# KiCad board LV_PCB.kicad_pcb (continued)
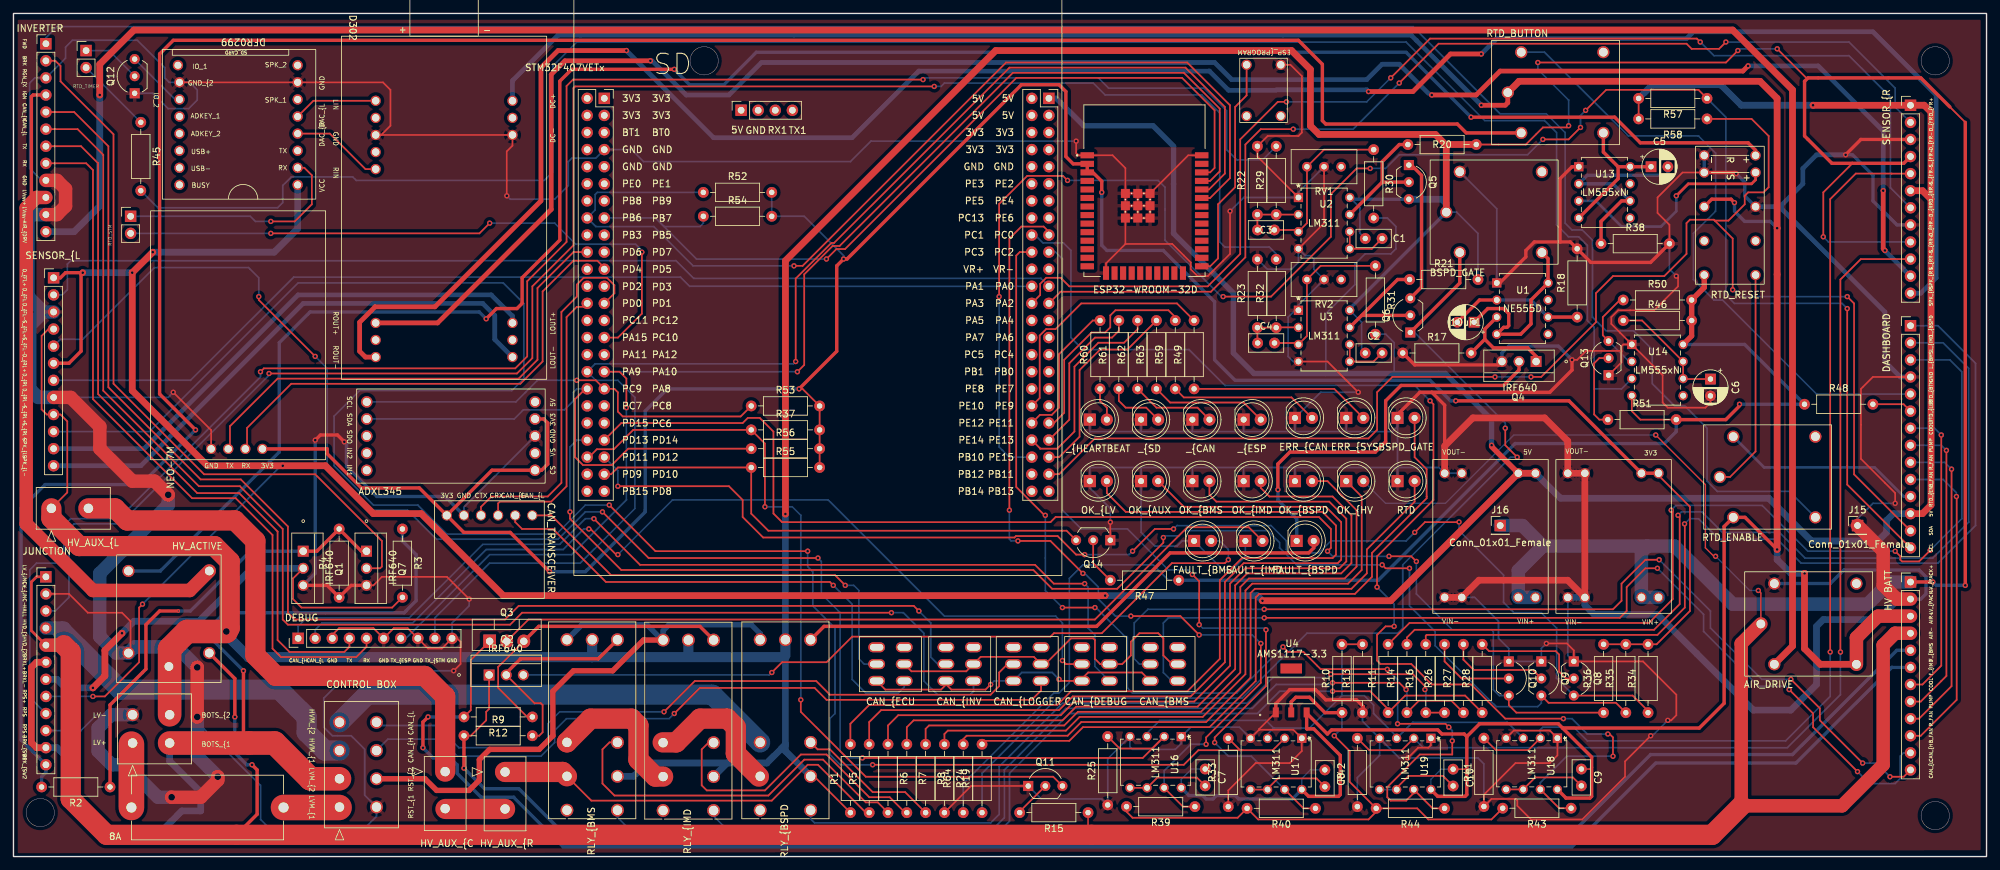
[diagram p0: board, top side]
## Routing (per net, layer and track width the routed paths; a pad name or vN(x,y) marks a point on that pad's centre or on a via; arc(x,y) is an arc through that point) (continued)
FORWARD_ENABLE: length 316.8
  Bottom w0.25: J1.1 4.82,121.72 6.47,123.37 207.89,123.37 220.85,110.42 227.7,110.42 230.5,107.62 230.5,94.16 231.51,93.15 233.04,93.15 234.56,91.62 234.56,80.19 236.59,78.16 240.66,78.16 243.45,75.37 243.45,70.28 246.75,66.98 248.28,66.98 251.58,63.68 251.58,55.81 253.1,54.28 263.82,54.28 K4.14
GPS_{RX}: length 73.2
  Top w0.25: U15.86 87.77,87.54 86.73,88.57 83.18,88.57 78.61,84 78.61,73.59 75.3,70.28 41.27,70.28 34.7,63.72 34.7,60.6
GPS_{TX}: length 73.4
  Top w0.25: 32.16,60.6 32.16,63.97 39.24,71.05 75.05,71.05 77.84,73.84 77.84,84.51 83.19,89.85 U15.87
HALL_{SIG}: length 263.9
  Top w0.25: v1(37.96,71.81) 74.8,71.81 77.08,74.09 77.08,84.76 83.19,90.87 83.19,114.24 83.43,114.48 v1(136.78,114.48)
  Bottom w0.25: v1(136.78,114.48) 137.8,114.48 138.31,114.99 160.39,114.99 162.17,113.21 176.53,113.21 179.19,110.55 179.19,91.37 179.95,90.6 186.56,90.6 187.58,89.58 R32.2 ; J4.3 6.21,36.5 8.25,38.53 8.25,48.7 9.01,49.46 15.87,49.46 37.96,71.56 v1(37.96,71.81)
HV_ACTIVE_Pin: length 116.8
  Top w0.25: v1(111.64,52) 111.62,52.01 111.62,61.39 R37.1 92.07,63.43 89.19,60.55 86.66,60.55 85.48,59.37 U15.58 ; Q11.3 154.45,11.87 126.61,11.87 116.96,21.52 v1(116.96,23.3)
  Bottom w0.25: v1(116.96,23.3) 116.96,50.73 115.69,52 v1(111.64,52)
HV_AUX_{C1}: length 85.7
  Top w3: J13.2 15.09,51.76 16.88,49.97 32.9,49.97 35.93,46.93 35.93,29.9 38.98,26.85 61.08,26.85 64.13,23.8 J8.1
HV_AUX_{C2}: length 8.8
  Top w3: J11.2 64.18,7.08
HV_AUX_{R2}: length 61
  Top w0.25: RLY1.7 85.84,8.31 112.64,8.31 117.98,13.64 119.51,13.64 126.62,6.53 R5.1
  Top w3: RLY1.7 81.58,12.57 J11.1
HV_MASTER_{1}: length 67.1
  Bottom w3: RLY3.8 103.84,24.06 52.53,24.06 J3.4
HVD_{1}: length 52.5
  Bottom w2: 7.49,33.96 J4.4
  Bottom w3: 7.24,33.45 15.88,24.82 39.49,24.82 43.55,20.75 43.55,18.47 46.26,15.76 J3.3
IGNITION_INPUT: length 100.8
  Top w0.25: 3.17,97.97 3.42,97.97
  Top w0.5: 3.17,97.97 2.66,98.48 2.66,112.96 2.91,113.21 J1.4
  Top w2: J1.10 3.42,97.97 1.9,96.45 1.9,49.46 11.8,39.55 26.18,39.55 K2.14
IMD_FAULT: length 261.9
  Top w0.25: R12.2 67.94,21.77 67.94,29.21 Q3.1
  Top w0.5: v1(60.83,16.18) 60.83,19.99 v1(61.59,20.75)
  Bottom w0.5: v1(60.83,16.18) 62.35,14.66 64.89,14.66 65.92,13.63 65.92,12.36 69.46,8.82 74.3,8.82 81.66,1.45 231.51,1.45 243.96,13.9 264.79,13.9 279.01,28.12 J2.6 ; v1(61.59,20.75) R12.2
IMD_Pin: length 197
  Top w0.25: v1(203.32,43.36) 203.83,42.85 v1(207.38,42.85) ; Q9.3 228.04,22.86 238.05,22.86 R35.1 ; v1(170.82,47.42) 170.82,46.66 163.96,39.81 154.3,39.81 151.5,42.6 90.29,42.6 82.67,50.22 v1(82.67,51.23)
  Bottom w0.25: v1(82.67,51.23) 82.67,60.89 83.69,61.91 U15.60 ; Q9.3 226.96,22.81 226.43,22.28 220.27,22.28 211.19,31.36 211.19,33.45 207.38,37.27 v1(207.38,42.85) ; v1(170.82,47.42) 171.07,47.68 173.1,47.68 173.87,48.44 186.3,48.44 188.08,46.66 188.08,45.9 190.62,43.36 v1(203.32,43.36)
LATCH_{BMS}: length 138.4
  Top w0.25: v1(279.53,45.39) 280.29,44.63 280.29,44.12 280.55,43.87 283.09,43.87 284.73,45.52 v1(284.73,45.53) ; v1(246.25,51.49) 246.5,51.25 246.5,38.28 242.94,34.73 207.38,34.73 R11.2
  Bottom w0.25: v1(246.25,51.49) 246.96,52.19 259.77,52.19 266.57,45.39 v1(279.53,45.39) ; J5.3 287.66,73.83 289.43,72.06 289.43,50.22 v1(284.73,45.53)
LATCH_{BSPD}: length 138.6
  Top w0.25: R16.2 209.8,32.82 209.92,32.95 244.21,32.95 248.28,37.01 248.28,49.42 v1(248.24,49.46)
  Bottom w0.25: J5.1 285.88,78.91 291.47,73.32 291.47,49.2 285.88,43.62 265.55,43.62 261.99,47.17 253.37,47.17 250.32,50.22 249,50.22 v1(248.24,49.46)
LATCH_{IMD}: length 138.4
  Top w0.25: v1(247.27,50.73) 247.51,50.48 247.51,37.52 243.7,33.71 208.14,33.71 207,32.57 R14.2
  Bottom w0.25: J5.2 286.64,76.37 290.45,72.56 290.45,49.71 285.12,44.38 266.13,44.38 262.32,48.19 253.88,48.19 250.83,51.23 247.78,51.23 v1(247.27,50.73)
LCD_{SCL}: length 267.3
  Top w0.25: v1(227.19,106.61) 231,106.61 v1(232.78,108.38) ; v1(146.42,83.24) 146.42,97.02 150.59,101.19 155.91,101.19 v1(156.58,100.51) ; v1(201.54,102.29) 199.52,102.29 195.7,98.47 195.7,92.13 186.81,83.24 v1(179.7,83.24) ; J5.14 272.41,55.29 v1(272.41,81.46) ; R57.1 250.31,113.97 236.59,113.97 v1(233.55,110.93)
  Bottom w0.25: v1(146.42,83.24) 146.42,60.89 147.94,59.37 U15.47 ; v1(201.54,102.29) 203.83,102.29 205.86,104.32 224.91,104.32 v1(227.19,106.61) ; v1(156.58,100.51) 170.05,100.51 171.06,99.5 171.06,91.62 179.44,83.24 v1(179.7,83.24) ; v1(272.41,81.46) 271.64,82.22 255.64,82.22 254.37,83.49 254.37,109.91 R57.1 ; v1(232.78,108.38) 232.78,110.16 v1(233.55,110.93)
LCD_{SDA}: length 219.3
  Top w0.25: v1(272.41,83.24) 273.42,82.22 273.42,56.81 J5.13 ; v1(220.08,71.3) 204.84,71.3 202.57,69.03 202.57,63.44 201.29,62.16 160.65,62.16 155.32,56.83 U15.48 ; v1(225.43,71.3) 226.94,71.3 235.08,79.44 235.08,83.75 237.62,86.29 245.23,86.29 248.53,89.59 248.53,94.16 249.04,94.67 252.6,94.67 252.73,94.54 ; R58.1 258.19,109.66 260.73,107.12 260.73,99.5 259.97,98.73 257.69,98.73 257.18,98.22 257.18,96.96 254.76,94.54 252.73,94.54 ; 252.73,94.54 255.39,91.88 v1(255.39,84.25)
  Bottom w0.25: v1(272.41,83.24) 256.41,83.24 v1(255.39,84.25) ; v1(225.43,71.3) v1(220.08,71.3)
LV+: length 9.7
  Top w0.25: 17.52,16.7 J6.1
  Top w3.8: F1.2 17.52,16.7
LV_MASTER_{1}: length 8.2
  Top w3.8: F1.1 48.36,7.29
RESET_{2}: length 92
  Top w0.8: RLY2.1 93.59,32.19 89.02,27.61 83.18,27.61 80.13,24.56 80.13,17.96 78.1,15.93 70.73,15.93 69.21,14.41 69.21,11.36 67.68,9.83 62.86,9.83 61.13,11.56 J3.6
  Bottom w0.8: RLY1.1 84.45,34.46 84.45,34.47 94.1,34.47 96.39,32.19 RLY2.1 96.51,33.58 97.4,34.47 109.59,34.47 110.92,33.14 RLY3.1
RTD_ACTIVE_Pin: length 79
  Top w0.25: U15.57 88.78,56.83 89.79,57.84 R55.1 109.59,50.98 112.13,48.44 156.44,48.44 Q14.3
RTD_BUTTON: length 94.5
  Bottom w0.25: K5.6 227.44,119.57 239.89,107.12 250.31,107.12 252.85,104.57 252.85,95.93 249.56,92.64 249.56,85.78 252.61,82.73 253.87,82.73 267.85,68.75 J5.5
RTD_LED: length 6
  Top w0.25: J5.6 280.78,67.24 R48.2
SPD_FL_{GND}: length 240.1
  Top w0.25: v1(87.5,51.23) 94.35,44.38 v1(119.51,44.38) ; v1(44.82,74.35) 36.44,82.73 v1(36.44,83.24) ; v1(126.1,14.66) 167.76,14.66 170.93,17.83 169.16,16.06 164.33,16.06 R25.2
  Bottom w0.25: J12.5 6.98,76.89 10.28,76.89 20.95,87.56 34.92,87.56 36.44,86.03 v1(36.44,83.24) ; v1(126.1,14.66) 123.82,14.66 122.8,15.68 122.8,36.25 120.01,39.04 120.01,43.88 v1(119.51,44.38) ; v1(44.82,74.35) 46.61,72.56 46.61,57.58 52.7,51.49 58.54,51.49 62.86,47.17 80.89,47.17 84.96,51.23 v1(87.5,51.23)
SPD_FR_{GND}: length 145.3
  Top w0.25: R41.2 220.21,15.82 225.04,15.82 U18.2 ; J10.5 279.02,101.52 279.01,101.53 273.68,101.53 269.88,97.73 v1(269.88,30.41)
  Bottom w0.25: U18.2 226.81,18.85 227.19,19.23 231.77,19.23 233.8,17.2 263.26,17.2 269.88,23.81 v1(269.88,30.41)
SPD_RL_{GND}: length 313.4
  Top w0.25: v1(127.63,13.64) 173.86,13.64 176.01,15.8 182.62,15.8 ; v1(117.98,45.39) 95.37,45.39 v1(88.51,52.25) ; R33.2 182.24,15.8 182.62,15.8 ; 182.62,15.8 187.06,15.8 U17.2
  Bottom w0.25: v1(88.51,52.25) 84.96,52.25 80.64,47.93 64.38,47.93 60.06,52.25 53.47,52.25 47.63,58.09 47.63,65.47 51.43,69.27 74.03,69.27 75.81,71.05 75.81,82.22 72.76,85.27 42.28,85.27 20.19,63.17 J12.10 ; v1(127.63,13.64) 122.8,13.64 121.28,15.17 121.28,20.5 122.04,21.26 122.04,33.96 118.74,37.27 118.74,42.34 117.98,43.11 v1(117.98,45.39)
SPD_RR_{GND}: length 150.5
  Top w0.25: J10.10 274.43,88.82 271.39,85.78 271.39,30.42 v1(271.4,30.41) ; U19.2 206.24,15.8 201.41,15.8 R42.2
  Bottom w0.25: U19.2 209.42,16.18 263.52,16.18 271.39,24.06 271.39,30.4 v1(271.4,30.41)
SPK_L+: length 80
  Bottom w0.7: J12.11 19.42,60.63 42.28,83.49 70.99,83.49 74.13,80.35 U8.3
SPK_L-: length 83.6
  Bottom w0.7: J12.12 18.91,58.09 43.05,82.22 69.72,82.22 71.49,80.45 71.49,76.88 U8.4
SPK_R+: length 288.9
  Top w0.7: v1(94.62,118.29) 81.92,118.29 79.89,116.26 79.89,96.2 63.01,79.33 U8.6 ; v1(257.68,117.53) 256.91,116.77 220.85,116.77 217.29,113.21 v1(210.69,113.21) ; v1(277.75,98.99) 277.75,90.35 v1(278,90.1)
  Bottom w0.2: 210.18,113.47 210.43,113.21 v1(210.69,113.21) ; v1(278,90.1) 278,90.09
  Bottom w0.7: v1(277.75,98.99) 277.75,107.87 268.09,117.53 v1(257.68,117.53) ; v1(94.62,118.29) 94.86,118.29 99.94,113.21 106.29,113.21 111.12,118.04 178.43,118.04 180.97,115.5 201.03,115.5 203.32,117.78 205.86,117.78 210.18,113.47 ; 278,90.09 J10.11
SPK_R-: length 319.9
  Top w0.7: v1(218.05,119.31) 213.48,119.31 207.89,113.72 v1(201.3,113.72) ; U8.5 52.29,74.25 51.43,75.11 51.43,79.43 53.71,81.72 62.6,81.72 78.36,97.47 78.36,117.28 80.89,119.81 v1(91.05,119.81)
  Bottom w0.2: 187.51,113.91 187.57,113.97
  Bottom w0.7: J10.12 283.32,83.74 285.62,86.03 285.62,113.21 276.22,122.61 249.55,122.61 248.53,121.59 220.34,121.59 v1(218.05,119.31) ; v1(91.05,119.81) 104.01,106.86 124.58,106.86 134.49,116.77 177.67,116.77 180.52,113.91 187.51,113.91 ; 187.57,113.97 201.04,113.97 v1(201.3,113.72)
SW_{RTD_EN}: length 30
  Bottom w0.4: J5.11 280.81,53.51 276.48,57.84 260.06,57.84 K4.6
Net-(10uF1-Pad1): length 27.9
  Top w0.5: 227.97,85.53 227.97,88.87 K1.14 ; 10uF1.1 219.01,81.46 221.36,81.46 222.12,80.7 222.12,78.92 221.87,78.67 221.36,78.67 U1.4 223.9,77.65 225.43,79.17 225.43,82.73 U1.8
Net-(10uF1-Pad2): length 20.2
  Top w0.5: 10uF1.2 217.78,82.73 U1.2 ; U1.6 R18.1
  Bottom w0.5: U1.6 225.43,82.73 U1.2
Net-(C1-Pad2): length 8
  Top w0.25: U2.6 U2.5 201.79,90.35 C1.2
Net-(C2-Pad2): length 7.9
  Top w0.25: U3.6 U3.5 202.04,73.59 C2.2
Net-(C3-Pad1): length 8.4
  Top w0.25: U2.2 R29.1 R22.1 184.79,93.16 C3.1
Net-(C3-Pad2): length 25.1
  Top w0.25: C3.2 190.63,93.15 U2.3 192.15,94.16 192.15,102.03 ; 192.15,102.03 192.14,102.05 RV1.1 194.68,105.08 R30.1 ; 192.15,102.03 192.15,102.3
Net-(C4-Pad1): length 8.4
  Top w0.25: U3.2 187.62,78.67 R32.1 R23.1 184.79,76.38 C4.1
Net-(C4-Pad2): length 24.8
  Top w0.25: R31.1 194.18,87.81 RV2.1 192.14,77.39 U3.3 190.67,76.34 C4.2
Net-(C5-Pad1): length 20.9
  Top w0.5: 238.37,102.54 238.37,100.77 U13.4 ; 238.37,102.54 236.18,104.73 K5.14 ; 238.37,102.54 U13.8 C5.1
Net-(C5-Pad2): length 32.4
  Top w0.5: U13.6 238.88,97.46 235.83,94.41 R38.1
  Bottom w0.5: C5.2 245.76,101.55 245.48,101.27 233.8,101.27 U13.2 237.61,100 U13.6
Net-(C6-Pad1): length 18
  Top w0.25: C6.1 248.09,70.98 U14.6 U14.7 241.93,79.68 R46.1
Net-(C7-Pad2): length 12.3
  Top w0.25: C7.2 175.8,11.74 169.92,11.74 U16.6 U16.5
Net-(C8-Pad2): length 12.3
  Top w0.25: C8.2 193.58,11.61 187.83,11.61 186.3,10.09 U17.6 U17.5
Net-(C9-Pad2): length 12.4
  Top w0.25: C9.2 231.66,11.76 226.05,11.76 224.27,9.98 221.73,9.98
Net-(C10-Pad2): length 12.5
  Top w0.25: C10.2 212.36,11.99 207.26,11.99 205.48,10.21 U19.6
  Bottom w0.25: U19.5 U19.6
Net-(D1-Pad2): length 134.6
  Top w0.25: R1.2 124.33,19.74 127.12,22.53 155.07,22.53 157.1,24.56 174.37,24.56 179.2,29.39 179.2,41.08 182.5,44.38 195.97,44.38 196.46,44.87 196.46,49.21 194.44,51.23 165.23,51.23 162.43,54.04 D1.2
Net-(D2-Pad2): length 116.4
  Top w0.25: v1(112.65,27.36) 114.18,28.88 120.78,28.88 124.59,32.69 154.05,32.69 154.56,33.2 161.67,33.2 172.09,43.62 179.96,43.62 v1(180.47,44.12)
  Bottom w0.25: Q2.3 112.28,26.99 v1(112.65,27.36) ; D2.2 179.2,46.92 180.47,45.65 v1(180.47,44.12)
Net-(D3-Pad2): length 125.7
  Top w0.25: D3.2 173.86,52 194.95,52 197.23,49.71 197.23,44.12 196.73,43.62 182.76,43.62 179.96,40.82 179.96,28.88 174.88,23.8 157.36,23.8 155.32,21.77 128.9,21.77 127.12,19.99 R5.2
Net-(D4-Pad2): length 118.3
  Top w0.25: D4.2 177.67,53.78 178.69,52.76 195.45,52.76 198,50.22 198,43.87 196.98,42.85 183.01,42.85 180.72,40.57 180.72,28.38 175.39,23.04 157.61,23.04 155.58,21.01 131.44,21.01 129.91,19.48 R6.1
Net-(D5-Pad2): length 120.1
  Top w0.25: D5.2 183.51,48.95 174.36,48.95 160.65,35.23 76.5,35.23 Q3.2
Net-(D6-Pad2): length 109.3
  Top w0.25: D6.2 185.28,54.8 186.56,53.52 195.96,53.52 198.76,50.73 198.76,43.62 197.23,42.09 183.26,42.09 181.49,40.31 181.49,27.87 175.9,22.28 157.86,22.28 155.83,20.25 133.72,20.25 132.71,19.23 R7.1
Net-(D7-Pad1): length 59
  Top w0.5: Q4.2 223.65,72.33 221.35,70.03 206.12,70.03 203.84,67.75 203.84,61.66 202.3,60.12 189.6,60.12 187.83,58.35 187.83,54.55 v1(187.84,54.54)
  Bottom w0.5: D7.1 190.62,50.22 187.84,53 v1(187.84,54.54)
Net-(D7-Pad2): length 81.4
  Top w0.5: D7.2 193.16,45.89 192.41,45.14 171.82,45.14 160.9,34.22 120.41,34.22 RLY3.2
Net-(D8-Pad2): length 100.5
  Top w0.25: R8.1 135.5,18.98 136.01,19.48 156.09,19.48 158.12,21.52 176.4,21.52 182.25,27.36 182.25,40.06 183.52,41.33 197.74,41.33 199.52,43.11 199.52,51.49 195.2,55.81 D8.2
Net-(D9-Pad2): length 103.3
  Top w0.25: R19.2 144.39,17.2 156.85,17.2 158.88,19.23 177.68,19.23 184.53,26.09 184.53,38.53 185.04,39.04 199.26,39.04 201.81,41.58 201.81,45.14 209.93,53.27 209.93,53.52 209.92,53.53 209.92,57.59 208.14,59.37 D9.2
Net-(D10-Pad1): length 95.1
  Top w0.25: R24.1 138.3,18.22 138.8,18.72 156.34,18.72 158.37,20.75 176.66,20.75 183.01,27.11 183.01,39.55 184.03,40.57 198.25,40.57 200.28,42.6 200.28,53.51 D10.1
Net-(D11-Pad2): length 26.9
  Top w0.25: D11.2 196.21,69.52 R49.1
Net-(D12-Pad2): length 22.1
  Top w0.25: R59.1 173.86,68.25 189.86,68.25 D12.2
Net-(D13-Pad2): length 5
  Top w0.25: D13.2 162.43,66.73 161.41,67.75 R60.1
Net-(D14-Pad2): length 8.8
  Top w0.25: D14.2 168.27,66.73 165.22,66.73 164.2,67.75 R61.1
Net-(D15-Pad2): length 12.6
  Top w0.25: D15.2 175.89,66.73 169.79,66.73 R62.1
Net-(D16-Pad2): length 17.4
  Top w0.25: D16.2 182.75,67.49 171.82,67.49 R63.1
Net-(D17-Pad2): length 94.9
  Top w0.25: D17.2 208.14,52.75 201.04,45.65 201.04,42.09 198.76,39.81 184.41,39.81 183.77,39.17 183.77,26.6 177.17,19.99 158.62,19.99 156.59,17.96 141.6,17.96 141.09,17.45 R64.2
Net-(J1-Pad7): length 107.4
  Top w0.25: J1.7 10.04,105.59 12.58,103.05 12.58,68.75 27.3,54.03 33.52,54.03 39.24,48.32 39.24,32.19 41.02,30.41 49.14,30.41 49.91,31.17 J7.4
Net-(J1-Pad8): length 109.8
  Top w0.25: J1.8 10.81,103.05 11.81,102.05 11.81,67.99 26.54,53.27 33.02,53.27 38.48,47.8 38.48,30.92 39.75,29.64 50.92,29.64 52.45,31.17 J7.5
Net-(J2-Pad7): length 45
  Top w0.25: J2.7 283.58,25.58 286.38,28.38 v1(286.38,62.67)
  Bottom w0.25: v1(286.38,62.67) 285.37,63.67 J5.7
Net-(J2-Pad8): length 46.1
  Top w0.25: J2.8 283.32,23.04 287.14,26.85 v1(287.14,60.38)
  Bottom w0.25: v1(287.14,60.38) 286.39,61.13 J5.8
Net-(J2-Pad9): length 46.9
  Top w0.25: J2.9 283.07,20.5 287.9,25.33 v1(287.9,57.59)
  Bottom w0.25: v1(287.9,57.59) 286.89,58.59 J5.9
Net-(J2-Pad10): length 47.5
  Top w0.25: J2.10 283.32,17.96 288.66,23.3 288.66,53.48 v1(288.63,53.52)
  Bottom w0.25: J5.10 286.65,56.05 288.63,54.08 v1(288.63,53.52)
Net-(J9-Pad1): length 8.8
  Bottom w0.25: J9.1 14.2,119.81 Q12.2
Net-(J9-Pad2): length 11.5
  Bottom w0.25: J9.2 R45.1
Net-(J14-Pad1): length 35.2
  Top w0.25: v1(38.23,94.41) 41.79,94.41 44.33,96.96 44.33,101.27 43.21,102.39 U12.2
  Bottom w0.25: J14.1 35.18,95.18 35.94,94.41 v1(38.23,94.41)
Net-(K1-Pad2): length 150.7
  Top w0.25: v1(223.38,59.36) 221.61,61.14 v1(221.61,63.68)
  Top w0.5: K1.2 214.85,85.25 Q6.1
  Bottom w0.25: R19.1 143.88,12.37 155.06,23.55 182.5,23.55 192.15,33.2 205.62,33.2 206.38,33.96 206.38,43.37 222.37,59.36 v1(223.38,59.36) ; Q6.1 208.14,77.91 221.61,64.44 v1(221.61,63.68)
Net-(K4-Pad7): length 33.1
  Top w0.25: 258.79,86.45 258.79,60.22 254.99,56.42 K4.7
Net-(K6-Pad1): length 308.8
  Top w0.5: v1(98.16,117.02) 82.92,117.02 81.16,115.25 81.16,91.63 75.56,86.03 75.56,82.22 74.8,81.46 71.75,81.46 v1(70.22,79.94) ; v1(216.53,109.91) 237.86,109.91 241.67,106.1 257.69,106.1 258.79,105 258.79,104.23
  Bottom w0.5: v1(70.22,79.94) 69.21,80.95 44.06,80.95 39.49,76.38 39.49,60.12 21.82,42.45 K2.1 ; v1(98.16,117.02) 100.45,114.74 105.53,114.74 110.36,119.56 206.88,119.56 v1(216.53,109.91)
Net-(K6-Pad2): length 33.1
  Top w0.4: 258.79,101.69 258.79,100.6 258.19,100 248.8,100 v1(247.02,98.22)
  Bottom w0.4: U13.3 235.07,97.46 238.88,93.65 244.73,93.65 247.02,95.94 v1(247.02,98.22)
Net-(K6-Pad9): length 207.6
  Top w0.25: R51.2 241.67,64.95 240.4,66.22 U14.4 ; v1(256.41,67.24) 256.41,66.98
  Top w0.5: R51.2 254.37,64.95 256.41,66.98
  Top w0.78: U14.8 249.29,77.4 R46.2
  Top w0.8: 251.17,86.45 251.17,84.6 R50.2 R46.2
  Bottom w0.25: R47.1 171.58,41.08 169.29,43.36 158.87,43.36 156.85,41.34 156.85,25.84 155.31,24.31 154.55,24.31 141.09,10.85 R64.1
  Bottom w0.5: R51.2 247.01,63.17 245.23,61.39 223.06,61.39 202.74,41.08 R47.1 ; v1(256.41,67.24) R48.1 257.17,76.13 U14.8
Net-(Q1-Pad1): length 66.4
  Top w0.5: Q1.1 45.08,45.39 R4.2 51.68,45.39 Q7.1 ; v4(24.5,36.5) 21.71,36.5 19.68,34.47 19.68,27.87 14.34,22.53 R2.1
  Bottom w0.5: v4(24.5,36.5) 26.28,36.5 35.17,45.39 Q1.1
Net-(Q2-Pad2): length 31.9
  Top w0.25: Q2.2 77.4,22.79 78.35,22.79 78.61,22.53 78.61,18.47 78.1,17.96 R9.2
  Top w0.5: RLY1.2 86.88,29.39 75.31,29.39 73.2,27.28 Q2.2
Net-(Q3-Pad3): length 45.3
  Top w0.25: R12.1 76.32,20.75 72,25.07 72,28.19 Q3.3
  Top w0.5: Q3.3 78.03,34.22 101.97,34.22 RLY2.2
Net-(Q4-Pad1): length 16.3
  Top w0.5: 218.57,76.89 219.84,75.62 224.92,75.62 226.19,74.35 Q4.1 ; 218.57,76.89 218.57,78.41 U1.3 ; 218.57,76.89 R17.2
Net-(Q5-Pad1): length 21.5
  Top w0.5: Q5.1 207.65,102.8 209.17,101.27 209.17,84.66 Q6.3
Net-(Q5-Pad2): length 18.7
  Top w0.5: R20.2 205.87,105.84 203.33,103.31 203.33,100.26 ; 203.33,100.26 Q5.2 ; 203.33,100.26 U2.7
Net-(Q6-Pad2): length 21.6
  Top w0.25: U3.7 200.28,80.45
  Top w0.5: U3.7 205.62,85.78 R21.1 ; 200.28,80.45 207.54,80.45
Net-(Q8-Pad2): length 17.2
  Top w0.25: Q8.2 230.62,26.47 229.61,27.49 229.61,30.03 229.1,30.53 219.19,30.53 R28.2
Net-(Q9-Pad2): length 15
  Top w0.25: Q9.2 225.69,27.74 216.91,27.74 215.38,29.26 R27.2
Net-(Q10-Pad2): length 13.1
  Top w0.25: R26.2 212.59,29.01 215.13,26.47 Q10.2
Net-(Q11-Pad2): length 5.5
  Top w0.25: Q11.2 149.47,6.68 R15.2
Net-(Q12-Pad3): length 9.1
  Bottom w0.25: U12.11 24,112.55 Q12.3
Net-(Q13-Pad2): length 12.4
  Top w0.25: R51.1 235.58,64.95 234.81,65.71 234.81,73.33 235.58,74.09 Q13.2
Net-(Q13-Pad3): length 12.7
  Top w0.25: Q13.3 236.1,77.49 236.1,80.19 238.63,82.73 R50.1
  Bottom w0.25: Q13.3 240,73.59 U14.2
Net-(Q14-Pad2): length 7
  Top w0.25: R47.2 160.39,43.62 Q14.2
Net-(R6-Pad2): length 56.4
  Top w0.25: RLY1.5 88.54,16.97 87.5,15.93 87.5,10.85 89.27,9.07 112.14,9.07 117.48,14.41 120.26,14.41 126.61,8.05 128.39,8.05 R6.2
Net-(R7-Pad2): length 44.1
  Top w0.25: RLY2.5 103.23,16.93 102.24,15.93 102.24,10.59 102.99,9.83 111.64,9.83 116.97,15.17 120.78,15.17 127.13,8.82 130.17,8.82 132.45,6.53 R7.2
Net-(R8-Pad2): length 21.4
  Top w0.25: R8.2 132.45,9.58 127.64,9.58 121.29,15.93 119.46,15.93 RLY3.5
Net-(R10-Pad1): length 88.2
  Top w0.25: R39.2 165.35,6.66 166.24,5.77 181.86,5.77 R40.2 184.9,5.52 201.29,5.52 202.43,6.66 R44.2 ; R43.2 219.56,5.52 210.18,5.52 208.53,7.17 R44.2 ; R44.2 198.49,11.1 198.49,15.68 v1(196.21,17.96)
  Top w0.5: R10.1 194.82,21.39 192.53,23.68 190.49,23.68 189.81,23 U4.2
  Bottom w0.25: R10.1 197.35,19.1 v1(196.21,17.96)
Net-(R10-Pad2): length 77.7
  Top w0.25: R13.2 R10.2
  Bottom w0.25: 187.19,19.1 186.05,20.25 170.3,20.25 168.39,18.34 U16.3 ; 187.19,19.1 186.3,18.22 U17.3 ; 187.19,19.1 192.52,19.1 197.35,23.93 ; 197.35,23.93 200.65,23.93 202.05,22.53 202.05,21.26 205.48,17.83 U19.3 206.37,18.47 206.38,18.47 207.86,19.96 221.92,19.96 U18.3 ; 197.35,23.93 R10.2
Net-(R11-Pad1): length 147.1
  Top w0.25: R28.1 215.64,23.93 206.75,23.93 R11.1 204.21,21.9 201.54,24.56 v1(195.95,24.56)
  Bottom w0.25: v1(195.95,24.56) 188.08,24.56 184.78,21.26 156.85,21.26 147.96,12.37 147.96,5.26 146.18,3.48 92.07,3.48 89.72,5.83 RLY1.6
Net-(R14-Pad1): length 131.3
  Top w0.25: R14.1 208.78,23.17 213.61,23.17 R27.1 ; v1(206.88,24.82) 205.86,25.84 v1(195.95,25.84)
  Bottom w0.25: v1(206.88,24.82) 207,24.69 R14.1 ; v1(195.95,25.84) 195.7,25.58 187.58,25.58 184.03,22.03 156.34,22.03 147.2,12.88 147.2,5.77 145.67,4.25 105.78,4.25 104.01,6.02 RLY2.6
Net-(R16-Pad1): length 113.6
  Top w0.25: v1(209.67,24.82) 209.67,25.33 207.89,27.11 v1(195.7,27.11) ; R16.1 R26.1
  Bottom w0.25: R16.1 209.8,24.69 v1(209.67,24.82) ; RLY3.6 118.42,5.58 118.99,5.01 145.16,5.01 146.43,6.28 146.43,13.39 155.83,22.79 183.26,22.79 187.07,26.6 195.19,26.6 v1(195.7,27.11)
Net-(R45-Pad2): length 285.8
  Bottom w0.25: R45.2 21.46,96.45 39.24,96.45 40,97.21 40,99.75 41.27,101.02 50.41,101.02 50.92,100.51 78.86,100.51 80.13,101.78 80.13,117.53 83.69,121.09 206.88,121.09 218.56,109.4 227.45,109.4 229.23,107.62 229.23,93.91 231,92.13 232.53,92.13 233.8,90.86 233.8,79.68 234.81,78.67 234.81,69.52 238.88,69.52 U14.3
Net-(R49-Pad2): length 36.9
  Top w0.25: R49.2 172.84,82.22 158.62,82.22 154.81,78.41 153.41,78.41 152.45,77.45 152.45,68.17 U15.41
Net-(R59-Pad2): length 32.3
  Top w0.25: R59.2 172.59,80.19 171.57,81.21 163.7,81.21 162.93,80.45 162.93,78.67 162.17,77.91 160.15,77.91 156.09,73.84 156.09,65.97 154.57,64.45 U15.42
Net-(R60-Pad2): length 21.1
  Top w0.25: R60.2 160.33,79.68 155.32,74.68 155.32,66.74 154.24,65.65 152.47,65.65 U15.43
Net-(R61-Pad2): length 23.6
  Top w0.25: R61.2 164.2,78.16 163.19,77.14 160.66,77.14 156.85,73.33 156.85,64.95 U15.44
Net-(R62-Pad2): length 30.6
  Top w0.25: U15.45 152.52,60.66 152.52,60.63 155.06,60.63 157.61,63.18 157.61,72.83 161.17,76.38 164.98,76.38 167,78.4 R62.2
Net-(R63-Pad2): length 30.2
  Top w0.25: R63.2 165.47,75.37 161.42,75.37 158.37,72.32 158.37,62.41 155.33,59.37 U15.46
Net-(RLY1-Pad8): length 22.3
  Top w3: RLY1.8 82.22,16.99 85.73,20.5 91.81,20.5 92.84,19.48 92.84,14.4 95.35,11.89 RLY2.7
Net-(RLY2-Pad8): length 21.6
  Top w3: 110.73,11.89 107.31,15.31 107.31,19.23 106.04,20.5 101.98,20.5 98.45,16.97 96.44,16.97
Net-(SW1-Pad1): length 45.7
  Top w0.25: SW3.1 167.62,27.36 159.64,27.36 158.7,26.42 SW1.1 155.56,26.11 v1(155.32,26.34) ; v1(145.16,25.58) 144.4,24.82 139.32,24.82 138.51,25.63 SW4.1 138.51,25.53 137.8,24.82 129.52,24.82 SW2.1
  Bottom w0.25: v1(145.16,25.58) 145.69,26.11 SW5.1 149.79,27.36 154.31,27.36 v1(155.32,26.34)
Net-(SW1-Pad4): length 53.7
  Top w0.25: SW3.4 172.11,28.61 170.82,29.9 170.82,32.44 170.06,33.2 167.26,33.2 165.99,31.93 165.99,29.9 164.7,28.61 SW1.4 161.44,28.61 160.66,29.39 160.66,32.19 160.4,32.44 157.1,32.44 153.27,28.61 SW5.4 151.57,29.68 143.68,29.68 142.61,28.62 SW4.4 141.54,27.54 133.4,27.54 SW2.4
Net-(SW2-Pad3): length 66.3
  Top w0.25: v1(123.56,40.31) 122.04,41.84 88.77,41.84 79.89,50.71 U7.6
  Bottom w0.25: SW2.3 126.38,28.61 125.59,29.39 125.59,39.55 124.83,40.31 v1(123.56,40.31)
Net-(SW2-Pad6): length 77.1
  Top w0.25: v1(121.78,40.31) 121.28,40.82 88,40.82 80.13,48.7 75.56,48.7 74.53,49.72 U7.5
  Bottom w0.25: v1(121.78,40.31) 124.58,37.52 124.58,26.34 126.61,24.31 131.44,24.31 132.32,25.2 SW2.6
Net-(SW8-Pad1): length 33.5
  Top w0.25: U11.25 177.76,87.74 178.94,88.91 178.94,96.96 181.48,99.5 181.48,111.43 183.18,113.14 SW8.1
Net-(U12-Pad4): length 13.8
  Top w0.25: U8.7 52.29,102.19 47.01,107.47 U12.4
Net-(U12-Pad5): length 12.6
  Top w0.25: U8.9 44.55,112.35 U12.5
Net-(U15-Pad78): length 94.7
  Top w0.25: v1(38.23,92.64) 69.22,92.64 v1(70.74,94.16) ; v1(93.35,89.84) 93.35,80.7 89.8,77.15 U15.78
  Bottom w0.25: J14.2 v1(38.23,92.64) ; v1(70.74,94.16) 80.39,94.16 83.53,91.03 92.42,91.03 93.35,90.1 v1(93.35,89.84)

## Copper pours and planes (outline as drawn; the poured copper is in the pictures)
BRAKE_{GND} on Top, Bottom: 292.23,0.94 0.64,0.44 0.64,124.39 292.23,124.39
